# Altium PCB PCB2.PcbDoc (continued)
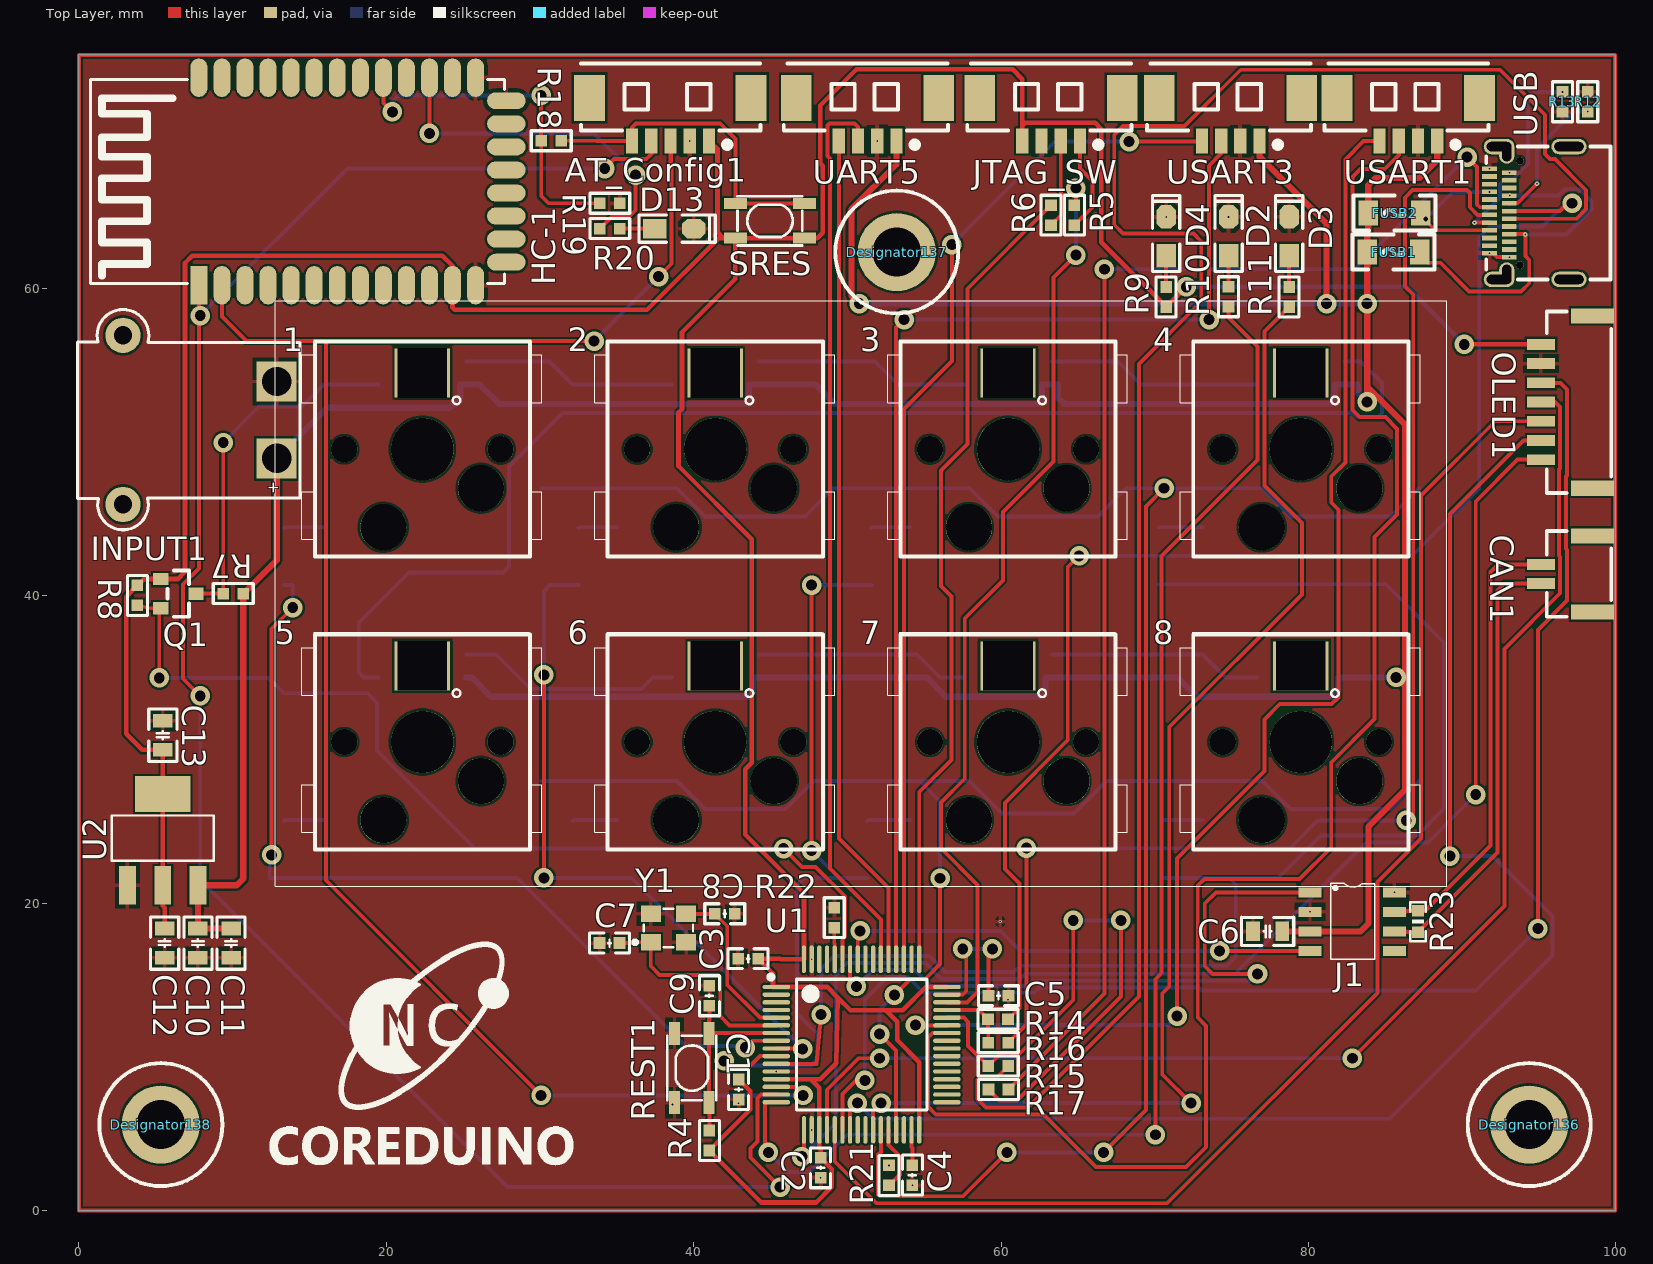
[diagram p0: Top Layer view]
## Footprints (in the part's own frame and the unit in brackets; to place one, negate y for a bottom-side part, rotate by r counter-clockwise, add the part's x,y. Pads: shape width x height; smd on the part's side, far side on the other; paste and mask are expansions set on the pad) (continued)
  rect 2.5x1.1 smd mask+0.051: 1(2.97,-2.3) 2(2.97,0) 3(2.97,2.3)
  rect 2.34x3.6 smd mask+0.051: 4(-2.97,0)
  silkscreen extent -1.57,-3.33 1.37,3.33, body extent -3.65,-3.35 3.64,3.35, height 1.81
STM32F405RGT6 [mm] "LQFP-64_L10.0-W10.0-P0.50-LS12.0-BL"
  oval 1.796x0.28 smd: 1(-5.677,3.496) 2(-5.677,2.996) 3(-5.677,2.496) 4(-5.677,1.996) 5(-5.677,1.496) 6(-5.677,0.996) 7(-5.677,0.496) 8(-5.677,-0.004) 9(-5.677,-0.504) 10(-5.677,-1.004) 11(-5.677,-1.504) 12(-5.677,-2.004) 13(-5.677,-2.504) 14(-5.677,-3.004) 15(-5.677,-3.504) 16(-5.677,-4.004) 33(5.423,-4.004) 34(5.423,-3.504) 35(5.423,-3.004) 36(5.423,-2.504) 37(5.423,-2.004) 38(5.423,-1.504) 39(5.423,-1.004) 40(5.423,-0.504) 41(5.423,-0.004) 42(5.423,0.496) 43(5.423,0.996) 44(5.423,1.496) 45(5.423,1.996) 46(5.423,2.496) 47(5.423,2.996) 48(5.423,3.496)
  oval 0.28x1.796 smd: 17(-3.877,-5.804) 18(-3.377,-5.804) 19(-2.877,-5.804) 20(-2.377,-5.804) 21(-1.877,-5.804) 22(-1.377,-5.804) 23(-0.877,-5.804) 24(-0.377,-5.804) 25(0.123,-5.804) 26(0.623,-5.804) 27(1.123,-5.804) 28(1.623,-5.804) 29(2.123,-5.804) 30(2.623,-5.804) 31(3.123,-5.804) 32(3.623,-5.804) 49(3.623,5.296) 50(3.123,5.296) 51(2.623,5.296) 52(2.123,5.296) 53(1.623,5.296) 54(1.123,5.296) 55(0.623,5.296) 56(0.123,5.296) 57(-0.377,5.296) 58(-0.877,5.296) 59(-1.377,5.296) 60(-1.877,5.296) 61(-2.377,5.296) 62(-2.877,5.296) 63(-3.377,5.296) 64(-3.877,5.296)
  silkscreen extent -6.18,-4.5 4.12,4.29, body extent -6.01,-6.14 5.76,5.63, height 1.55
USB-C-SMD_TYPE-C-24P-QT [mm]
  oval 1x2 hole 0.6 slot 1.6 at 90 deg: 1(-4.32,1.963) 2(4.32,1.963)
  oval 1.5x1 hole 0.6 slot 1.2 at 0 deg: 1(-3.97,1.463) 2(3.97,1.463)
  oval 1x2.3 hole 0.6 slot 1.9 at 90 deg: 3(4.32,-2.587) 4(-4.32,-2.587)
  rect 0.3x0.95 smd: A1(-2.625,2.588) A2(-2.125,2.588) A3(-1.625,2.588) A4(-1.125,2.588) A5(-0.625,2.588) A6(-0.125,2.588) A7(0.375,2.588) A8(0.875,2.588) A9(1.375,2.588) A10(1.875,2.588) A11(2.375,2.588) A12(2.875,2.588) B1(2.625,1.288) B2(2.125,1.288) B3(1.625,1.288) B4(1.125,1.288) B5(0.625,1.288) B6(0.125,1.288) B7(-0.375,1.288) B8(-0.875,1.288) B9(-1.375,1.288) B10(-1.875,1.288) B11(-2.375,1.288) B12(-2.875,1.288)
  round 0.5 hole 0.5 unplated: ""(-3.4,0.613) ""(3.4,0.613)
  silkscreen extent -4.32,-5.29 4.32,2.79
XT30PW-M [mm]
  round 2.3 hole 1.2: 0(-5.5,-5) 0(5.5,-5)
  rect 2.6x2.6 hole 1.9: 1(-2.5,5) 2(2.5,5)
  silkscreen extent -7.18,-7.95 7.14,6.52, body extent -6.67,-7.95 6.63,6, height 5

## Part data
1 2 3 4 5 6 7 8: library part MX_SW-Hot
AT_Config1: library part HDR1x5_卧
C1 C2 C3 C4 C5 C6 C7 C8 C9 C10 C11 C12 C13: "Capacitor", LatestRevisionDate=17-Jul-2002, LatestRevisionNote="Re-released for DXP Platform.", PackageDescription="Radial Cap, Thru-Hole; 2 Leads; 0.3 in Pin Spacing", PackageReference=RAD-0.3, Published=8-Jun-2000, Publisher="Altium Limited"
D2 D3 D4 D13: library part "LED 0805R 红", "Typical INFRARED GaAs LED", LatestRevisionDate=08-Jul-2005, LatestRevisionNote="Mech Layer 1 removed.", PackageDescription="LED; 2 Leads", PackageReference=LED-0, Published=8-Jun-2000, Publisher="Altium Limited"
D5 D6 D7 D8 D9 D10 D11 D12: library part Diode, "Default Diode", Code_JEDEC=DO-214-AB, LatestRevisionDate=17-Jul-2002, LatestRevisionNote="Re-released for DXP Platform.", PackageDescription="DO-214-AB/SMC; 2 C-Bend Leads; Body 7.9 x 5.9 mm, inc. leads (LxW)", PackageReference=SMC, PackageVersion=Sep-1996, Published=8-Jun-2000, Publisher="Altium Limited"
FUSB1 FUSB2: library part FU, LatestRevisionDate=17-Jul-2002, LatestRevisionNote="Re-released for DXP Platform.", PackageDescription="Axial Device, Thru-Hole; 2 Leads; 0.3 in Pin Spacing", PackageReference=AXIAL-0.3, Published=8-Jun-2000, Publisher="Altium Limited"
HC-1: library part HC-04
J1: BOM_JLCPCB Part Class="Basic Part", BOM_Manufacturer=NXP, BOM_Manufacturer Part=TJA1050T/CM,118, BOM_Supplier=LCSC, BOM_Supplier Part=C6952, spicePre=U, spiceSymbolName=TJA1050T/CM,118
JTAG_SW UART5 USART1 USART3: library part HDR1x4_卧
Q1: library part 2N7002,215, Continuous Drain Current (Id)=300mA, Drain Source On Resistance (RDS(on)@Vgs,Id)=5Ω@10V,500mA, Drain Source Voltage (Vdss)=60V, Gate Threshold Voltage (Vgs(th)@Id)=2.5V@250A, JLCPCB Part Class="Extended Part", LCSC Part Name="N沟道 60V 300mA", Manufacturer=Nexperia(安世), Power Dissipation (Pd)=830mW, Add into BOM=yes, Convert to PCB=yes, Datasheet=https://atta.szlcsc.com/upload/public/pdf/source/20170103/1483439882638.pdf, Device=2N7002,215, Manufacturer Part=2N7002,215, Supplier=LCSC, Supplier Footprint=SOT-23(SOT-23-3), Supplier Part=C65189, Symbol=2N7002,215, Type=N沟道
R4 R5 R6 R7 R8 R9 R10 R11 R12 R13 R14 R15 R16 R17 R21 R22 R23: "Resistor", LatestRevisionDate=17-Jul-2002, LatestRevisionNote="Re-released for DXP Platform.", PackageDescription="Axial Device, Thru-Hole; 2 Leads; 0.4 in Pin Spacing", PackageReference=AXIAL-0.4, Published=8-Jun-2000, Publisher="Altium Limited"
R18 R19 R20: library part "R 0603_L", "Resistor", LatestRevisionDate=17-Jul-2002, LatestRevisionNote="Re-released for DXP Platform.", PackageDescription="Axial Device, Thru-Hole; 2 Leads; 0.4 in Pin Spacing", PackageReference=AXIAL-0.4, Published=8-Jun-2000, Publisher="Altium Limited"
REST1 SRES: "Switch", LatestRevisionDate=17-Jul-2002, LatestRevisionNote="Re-released for DXP Platform.", PackageDescription="Switch; 2 Leads", PackageReference=SPST-2, Published=24-Mar-1999, Publisher="Altium Limited"
U1: BOM_JLCPCB Part Class="Extended Part", BOM_Manufacturer=ST, BOM_Manufacturer Part=STM32F405RGT6, BOM_Supplier=LCSC, BOM_Supplier Part=C15742, image=http://image.lceda.cn/szlcsc/C15742.jpg, spicePre=U, spiceSymbolName=STM32F405RGT6, subpart_no=1, tags=STM32
U2: Dropout Voltage=5V@(10mA), JLCPCB Part Class="Extended Part", LCSC Part Name="Vin=40V Vout=1.3V~37V 1A", Manufacturer=UTC(友顺), Manufacturer Part=LM317G-AA3-R, Maximum Input Voltage=40V, Output Current=1A, Output Voltage=1.3V~37V, Add into BOM=yes, Convert to PCB=yes, Datasheet=https://atta.szlcsc.com/upload/public/pdf/source/20160416/1460799387250.pdf, Device=LM317G-AA3-R, Number of Outputs=1, Output Polarity=正, Output Type=可调, Supplier=LCSC, Supplier Footprint=SOT-223, Supplier Part=C19651, Symbol=LM317G-AA3-R
USB: BOM_JLCPCB Part Class="Extended Part", BOM_Manufacturer="SHOU HAN(首韩)", BOM_Manufacturer Part="TYPE-C 24P QT", BOM_Supplier=LCSC, BOM_Supplier Part=C2681555, Contributor=LCSC, spicePre=U, spiceSymbolName="TYPE-C 24P QT"
Y1: library part "3325 12Mhz", "3325 12MHZ 无源晶振"

## Via types
v1: diameter 1.27, hole 0.711, Top Layer to Bottom Layer, 72 vias
v2: diameter 0.205, hole 0.115, Top Layer to Bottom Layer, 20 vias
v3: diameter 0.305, hole 0.115, Top Layer to Bottom Layer, 7 vias
v4: diameter 0.605, hole 0.315, Top Layer to Bottom Layer, 1 vias

## Nets (pads, with @x,y where several pads share a name; then routed paths per layer and width w, separated by ;. In a path a pad name is that pad's centre, name@x,y a point inside that pad or via, vN(x,y) a via of type N, cw(c..) or ccw(c..) an arc to the next point about the centre after c; other vN are vias at no path point)
BUTTON_AD(PA3): OLED1.1 U1.17 | length 86.3
  Top Layer w0.254: v1(47.041,3.505) 47.177,3.641 U1.17 ; v1(90.881,27.055) 90.881,46.126 93.603,48.848 OLED1.1
  Bottom Layer w0.254: v1(47.041,3.505) 49.247,5.712 49.247,15.389 49.952,16.094 55.071,16.094 56.093,15.073 61.248,15.073 61.581,15.405 75.224,15.405 83.768,23.949 87.775,23.949 v1(90.881,27.055)
CAN2_RX(PB5): J1.4 U1.57 | length 31.7
  Top Layer w0.254: U1.57 50.677,18.038 v1(50.825,18.186) ; v1(74.219,16.891) J1.4
  Bottom Layer w0.254: v1(50.825,18.186) 59.955,18.186 61.251,16.891 v1(74.219,16.891)
CAN2_TX(PB6): J1.1 U1.58 | length 44.1
  Top Layer w0.254: U1.58 50.177,14.999 v1(50.591,14.586) ; v1(76.683,15.392) 73.762,15.392 73.254,15.9 73.254,19.964 73.99,20.701 J1.1
  Bottom Layer w0.254: v1(50.591,14.586) 51.645,15.64 54.39,15.64 55.411,14.619 61.702,14.619 62.035,14.951 76.241,14.951 v1(76.683,15.392)
CAN_H: CAN1.2 J1.7 R23.2 | length 29.3
  Top Layer w0.254: J1.7 86.309,19.431 86.373,19.494 R23.2 87.589,19.494 91.843,23.749 91.843,41.551 92.329,42.037 CAN1.2
CAN_L: CAN1.1 J1.6 R23.1 | length 28.9
  Top Layer w0.254: J1.6 86.335,18.161 86.385,18.11 R23.1 92.297,23.285 92.297,40.349 92.735,40.787 CAN1.1
DIN_3V3_1(PB7): Q1.2 R8.1 U1.59 | length 62.6
  Top Layer w0.254: R8.1 4.658,39.182 Q1.2@5.232,39.182 ; v1(5.232,34.646) Q1.2@5.232,39.182 ; Q1.2 Q1.2@5.232,39.182 ; v1(45.847,23.546) 47.041,22.352 47.93,22.352 49.86,20.422 49.86,17.811 49.677,17.628 U1.59
  Bottom Layer w0.254: v1(5.232,34.646) 12.344,34.646 13.335,33.655 18.771,33.655 19.406,33.02 19.406,29.921 25.781,23.546 v1(45.847,23.546)
DIN_5V0_1: 1.6 Q1.3 R7.1 | length 23.3
  Top Layer w0.254: Q1.3 8.509,40.132 R7.1 v1(9.398,49.962)
  Bottom Layer w0.254: v1(9.398,49.962) 11.735,52.299 14.503,52.299 15.938,53.733 1.6
DIN_5V0_1_1: 4.4 5.6 | length 85.9
  Bottom Layer w0.254: 5.6 18.53,34.683 18.212,35.001 18.212,38.252 21.463,41.504 27.584,41.504 27.991,41.91 27.991,48.412 31.471,51.892 82.858,51.892 83.109,51.641 84.557,51.641 84.782,51.867 84.782,53.839 83.388,55.233 4.4
GND: 1.5 2.5 3.5 4.5 5.5 6.5 7.5 8.5 AT_Config1.2 C1.2 C2.2 C3.2 C4.2 C5.2 C6.2 C7.2 C8.1 C9.2 C10.1 C11.1 C12.1 C13.1 D2.2 D3.2 D4.2 D13.2 HC-1.13 HC-1.21 HC-1.22 INPUT1.1 J1.2 J1.8 JTAG_SW.3 OLED1.6 R12.1 R13.2 R19.2 R21.2 R22.2 REST1.2 U1.12 U1.18 U1.63 U2.1 UART5.2 USART1.2 USART3.2 USB.A1 USB.A12 USB.B1 USB.B12 Y1.2 Y1.4 | length 1.4
  Top Layer w0.254: v2(91.773,62.272) 92.024,62.272 92.274,62.022 v2(93.073,62.022)
  other v2: 54.229,1.651 48.26,2.129 52.705,2.936 47.677,5.245 38.626,6.894 42.926,6.985 45.377,9.044 60.452,13.716 47.677,16.345 59.944,18.796 80.098,19.431 85.598,20.701 70.739,64.643 74.803,64.643 93.073,67.522 91.773,67.772 39.745,69.579 51.947,69.579
HC_KEY: AT_Config1.5 R18.2 SRES.1 | length 21.5
  Top Layer w0.254: R18.2 33.68,69.596 33.697,69.579 AT_Config1.5 35.995,70.463 36.246,70.714 41.732,70.714 42.723,69.723 SRES.1@42.723,65.514 ; SRES.1@42.708,65.514 SRES.1@42.723,65.514 ; SRES.1@47.208,65.514 SRES.1@42.723,65.514
HC_RX: AT_Config1.3 HC-1.2 U1.14 | length 118
  Top Layer w0.254: HC-1.2 9.312,58.166 10.912,56.566 16.078,56.566 ; v1(30.074,7.493) 16.078,21.488 16.078,56.566 ; v1(33.528,56.566) 16.078,56.566 ; v1(37.719,60.757) 38.557,61.595 38.557,67.502 ; U1.14 46.565,8.045 v1(47.117,7.493) ; 38.557,67.502 AT_Config1.3 38.495,67.564 38.557,67.502
  Bottom Layer w0.254: v1(30.074,7.493) v1(47.117,7.493) ; v1(33.528,56.566) v1(37.719,60.757)
HC_TX: AT_Config1.4 HC-1.1 U1.15 | length 128.4
  Top Layer w0.254: HC-1.1 v1@7.812,58.304 ; v1(7.899,33.477) 6.782,34.595 6.782,40.742 7.812,41.772 v1@7.812,58.304 ; v1(7.899,58.217) v1@7.812,58.304 ; v1(34.214,67.793) 34.823,68.402 36.915,68.402 37.245,68.732 AT_Config1.4 ; U1.15 44.374,7.545 44.145,7.316 44.145,4.496 43.688,4.039 43.688,3.454 v1(45.618,1.524)
  Bottom Layer w0.254: v1(7.899,33.477) 7.899,21.514 27.889,1.524 v1(45.618,1.524) ; v1(7.899,58.217) 17.475,67.793 v1(34.214,67.793)
KEY_POS1: D5.2 D9.2 U1.8 | length 58
  Top Layer w0.254: v1(12.548,23.139) 12.548,37.846 v1(13.919,39.218) ; v1(43.358,10.592) 43.811,11.045 U1.8
  Bottom Layer w0.254: v1(12.548,23.139) 12.421,23.012 12.421,21.641 D9.2 28.524,21.641 39.463,10.702 43.248,10.702 v1(43.358,10.592) ; D5.2 13.919,40.691 v1(13.919,39.218)
KEY_POS2: D6.2 D10.2 U1.9 | length 44.2
  Top Layer w0.254: v1(30.251,21.641) v1(30.251,34.849) ; U1.9 47.062,10.545 v1(47.092,10.516)
  Bottom Layer w0.254: v1(30.251,21.641) D10.2 35.966,21.641 v1(47.092,10.516) ; v1(30.251,34.849) 30.251,40.284 30.658,40.691 D6.2
KEY_POS3: D7.2 D11.2 U1.10 | length 50.5
  Top Layer w0.254: v1(41.986,9.728) 42.291,9.423 43.701,9.423 44.323,10.045 U1.10 ; v1(47.676,23.419) v1(47.676,40.691)
  Bottom Layer w0.254: v1(41.986,9.728) 42.291,9.423 47.625,9.423 48.057,9.855 48.057,11.481 46.711,12.827 46.711,21.184 47.168,21.641 49.454,21.641 ; v1(47.676,23.419) 49.454,21.641 ; v1(47.676,40.691) D7.2 ; D11.2 49.454,21.641
KEY_POS4: D8.2 D12.2 U1.11 | length 93.5
  Top Layer w0.254: U1.11 48.001,9.545 v1(48.285,12.751)
  Bottom Layer w0.254: v1(48.285,12.751) 48.285,15.71 49.123,16.548 55.339,16.548 56.36,15.527 60.849,15.527 61.248,15.926 74.708,15.926 75.265,16.483 75.265,21.229 74.854,21.641 ; D8.2 85.039,40.742 88.824,36.957 88.824,26.141 87.086,24.403 80.797,24.403 78.035,21.641 74.854,21.641 ; D12.2 74.854,21.641
KEY_SEG1: 1.1 2.1 3.1 4.1 U1.27 | length 126.7
  Top Layer w0.254: U1.27 52.177,3.815 51.994,3.632 51.994,1.041 52.107,0.928 57.519,0.928 v1(60.376,3.785) ; v1(66.675,3.785) 69.418,6.528 69.418,45.796 v1(70.612,46.99)
  Bottom Layer w0.254: 1.1 38.906,46.99 40.733,45.163 47.25,45.163 49.077,46.99 2.1 57.956,46.99 59.783,45.163 66.3,45.163 68.127,46.99 3.1 v1(70.612,46.99) 77.006,46.99 78.833,45.163 85.35,45.163 87.177,46.99 4.1 ; v1(60.376,3.785) v1(66.675,3.785)
KEY_SEG2: 5.1 6.1 7.1 8.1 U1.29 | length 87.8
  Top Layer w0.254: v1(52.095,11.481) 53.177,10.399 U1.29 ; v1(53.061,14.021) 54.102,15.062 55.067,15.062 56.032,16.027 v1(56.032,21.615)
  Bottom Layer w0.254: 5.1 38.906,27.94 40.733,26.113 45.969,26.113 47.796,27.94 6.1 54.712,27.94 ; v1(52.095,11.481) 52.095,13.056 v1(53.061,14.021) ; v1(56.032,21.615) 56.032,26.619 54.712,27.94 ; 8.1 87.177,27.94 85.35,26.113 78.833,26.113 77.006,27.94 7.1 66.846,27.94 64.738,25.833 60.063,25.833 57.956,27.94 54.712,27.94
LED1(PA2): R10.2 U1.16 | length 88.2
  Top Layer w0.254: v1(44.856,3.785) 44.653,3.988 44.653,7.045 U1.16 ; v1(70.034,4.928) 70.034,15.046 70.434,15.446 70.434,42.57 76.689,48.825 76.689,56.204 74.803,58.09 R10.2
  Bottom Layer w0.254: v1(44.856,3.785) 46.126,2.515 47.574,2.515 49.987,4.928 v1(70.034,4.928)
LED2(PB0): R11.2 U1.26 | length 80.1
  Top Layer w0.254: U1.26 51.677,6.465 v1(52.197,6.985) ; v1(72.365,6.985) 70.488,8.861 70.488,14.126 70.942,14.58 70.942,31.445 79.578,40.081 79.578,44.733 77.143,47.168 77.143,57.189 R11.2
  Bottom Layer w0.254: v1(52.197,6.985) v1(72.365,6.985)
Net1_2: 1.2 D5.1 | length 2.6
  Bottom Layer w0.254: D5.1 13.386,44.45 1.2
Net1_4: 1.4 2.6 | length 14
  Bottom Layer w0.254: 1.4 30.619,55.233 32.119,53.733 2.6
Net2_2: 2.2 D6.1 | length 2.5
  Bottom Layer w0.254: D6.1 32.563,44.45 2.2
Net2_4: 2.4 3.6 | length 14
  Bottom Layer w0.254: 2.4 51.803,55.233 53.303,53.733 3.6
Net3_2: 3.2 D7.1 | length 2.5
  Bottom Layer w0.254: D7.1 51.613,44.45 3.2
Net3_4: 3.4 4.6 | length 14
  Bottom Layer w0.254: 3.4 67.615,55.233 69.115,53.733 4.6
Net4_2: 4.2 D8.1 | length 2.9
  Bottom Layer w0.254: D8.1 4.2
Net5_2: 5.2 D9.1 | length 2.6
  Bottom Layer w0.254: D9.1 13.386,25.4 5.2
Net5_4: 5.4 6.6 | length 14.6
  Bottom Layer w0.254: 5.4 27.154,36.183 29.4,33.937 36.604,33.937 37.338,34.671 38.54,34.671 6.6
Net6_2: 6.2 D10.1 | length 2.9
  Bottom Layer w0.254: D10.1 32.182,25.4 6.2
Net6_4: 6.4 7.6 | length 14
  Bottom Layer w0.254: 6.4 54.532,36.183 56.032,34.683 7.6
Net7_2: 7.2 D11.1 | length 2.8
  Bottom Layer w0.254: D11.1 51.359,25.4 7.2
Net7_4: 7.4 8.6 | length 14
  Bottom Layer w0.254: 7.4 73.113,36.183 74.613,34.683 8.6
Net8_2: 8.2 D12.1 | length 2.7
  Bottom Layer w0.254: D12.1 70.485,25.4 8.2
NetC4_1: C4.1 U1.31 | length 2.3
  Top Layer w0.254: U1.31 54.177,4.116 54.229,4.064 C4.1
NetC5_1: C5.1 U1.47 | length 9.3
  Top Layer w0.254: U1.47 57.504,14.045 57.734,14.275 57.734,16.789 v1(57.506,17.018) ; C5.1 59.182,16.764 v1(59.436,17.018)
  Bottom Layer w0.254: v1(57.506,17.018) v1(59.436,17.018)
NetD2_1: D2.1 R10.1 | length 2
  Top Layer w0.254: R10.1 D2.1
NetD3_1: D3.1 R11.1 | length 2
  Top Layer w0.254: R11.1 78.74,61.087 D3.1
NetD4_1: D4.1 R9.1 | length 2
  Top Layer w0.254: R9.1 70.739,61.087 D4.1
NetD13_1: D13.1 R20.2 | length 2.3
  Top Layer w0.254: R20.2 36.322,63.881 D13.1
NetFUSB1_2: FUSB1.2 USB.B4 USB.B9 | length 24.2
  Top Layer w0.254: FUSB1.2 87.249,62.166 87.757,61.658 88.582,61.658 90.441,59.8 93.836,59.8 94.361,60.325 94.361,61.849 94.107,62.103 v3(94.107,63.5) 94.093,63.5 94.071,63.522 USB.B9
  Bottom Layer w0.254: v3(93.091,66.04) 96.266,66.04 96.647,66.421 96.754,66.421 96.777,66.444 97.64,66.444 98.425,65.659 98.425,65.151 96.774,63.5 v3(94.107,63.5)
NetFUSB2_1: FUSB2.1 USB.A4 USB.A9 | length 9.9
  Top Layer w0.254: FUSB2.1 87.312,64.706 88.247,63.772 USB.A4
  Bottom Layer w0.254: v4(87.63,64.516) 89.386,66.272 v3(91.773,66.272)
NetHC-1_24: HC-1.24 R20.1 | length 23.3
  Top Layer w0.254: v1(22.812,70.079) HC-1.24 ; R20.1 34.707,64.694 35.839,64.694 36.22,65.075 v1(36.22,67.361)
  Bottom Layer w0.254: v1(22.812,70.079) 33.503,70.079 v1(36.22,67.361)
NetHC-1_26: HC-1.26 R18.1 R19.1 | length 23.5
  Top Layer w0.254: HC-1.26 19.812,72.06 v1(20.396,71.476) ; v1(30.074,72.542) 30.074,69.606 R18.1 30.084,66.004 30.556,65.532 R19.1
  Bottom Layer w0.254: v1(20.396,71.476) 20.396,72.136 20.803,72.542 v1(30.074,72.542)
NetJTAG_SW?_1: JTAG_SW.1 R5.1 | length 6.3
  Top Layer w0.254: R5.1 65.938,65.273 65.938,66.989 65.135,67.793 JTAG_SW.1
NetJTAG_SW?_2: JTAG_SW.2 R6.1 | length 5.8
  Top Layer w0.254: R6.1 63.957,64.816 63.957,66.145 63.885,66.218 JTAG_SW.2
NetR12_2: R12.2 USB.B5 | length 8.9
  Top Layer w0.254: USB.B5 93.096,65.545 93.613,65.545 v3(94.869,66.801)
  Bottom Layer w0.254: v3(94.869,66.801) 94.869,69.088 97.282,71.501 v3(98.171,71.501)
NetR13_1: R13.1 USB.A5 | length 13.2
  Top Layer w0.254: v3(90.805,64.262) 90.81,64.267 91.768,64.267 USB.A5
  Bottom Layer w0.254: v3(90.805,64.262) 92.456,65.913 92.456,66.802 92.796,67.142 93.339,67.142 94.275,68.078 94.275,72.349 94.697,72.771 v3(96.52,72.771)
NetR21_1: R21.1 U1.28 | length 4.2
  Top Layer w0.254: U1.28 52.677,4.27 53.416,3.531 53.416,2.347 R21.1
NetR22_1: R22.1 U1.60 | length 2.1
  Top Layer w0.254: R22.1 49.149,17.376 49.177,17.348 U1.60
NRST: C9.1 R4.2 REST1.1 U1.7 | length 12.6
  Top Layer w0.254: REST1.1@41.003,7.021 REST1.1@41.003,7.069 ; R4.2 41.021,7.069 REST1.1@41.003,7.069 ; C9.1 41.021,12.413 41.003,12.395 REST1.1@41.003,11.554 ; U1.7 44.329,11.545 44.32,11.554 REST1.1@41.003,11.554 ; REST1.1@41.003,7.069 41.003,11.521 REST1.1@41.003,11.554
OLED_CLK(PA5): OLED1.3 U1.21 | length 87.5
  Top Layer w0.254: U1.21 49.177,3.189 51.892,0.474 70.807,0.474 84.48,14.148 84.48,21.361 87.322,24.203 87.322,46.519 92.151,51.348 OLED1.3
OLED_DC(PA4): OLED1.4 U1.20 | length 87
  Top Layer w0.254: U1.20 48.677,7.855 50.728,9.906 v1(52.102,9.906) ; v1(82.855,9.906) 92.751,19.802 92.751,36.541 96.368,40.157 96.368,42.53 96.292,42.606 96.292,48.203 96.368,48.279 96.368,52.273 96.043,52.598 OLED1.4
  Bottom Layer w0.254: v1(52.102,9.906) v1(82.855,9.906)
OLED_MOSI(PA7): OLED1.2 U1.23 | length 93
  Top Layer w0.254: U1.23 50.177,6.514 v1(50.648,6.985) ; v1(89.205,23.063) 89.205,45.323 93.98,50.098 OLED1.2
  Bottom Layer w0.254: v1(50.648,6.985) 51.664,5.969 85.268,5.969 95.885,16.586 95.885,19.152 91.973,23.063 v1(89.205,23.063)
OLED_RST(PA6): OLED1.5 U1.22 | length 93.9
  Top Layer w0.254: U1.22 49.677,7.569 50.569,8.461 v1(51.133,8.461) ; v1(94.92,18.339) 94.92,37.775 96.825,39.68 96.825,42.974 96.746,43.053 96.746,47.749 96.825,47.828 96.825,53.416 96.393,53.848 OLED1.5
  Bottom Layer w0.254: v1(51.133,8.461) 51.133,13.716 52.603,15.186 53.944,15.186 54.965,14.165 62.156,14.165 62.489,14.497 72.866,14.497 73.06,14.303 90.884,14.303 v1(94.92,18.339)
PH0_OSC_IN: C8.2 U1.5 Y1.3 | length 10.9
  Top Layer w0.254: Y1.3 C8.2 42.183,18.493 42.183,14.683 44.321,12.545 U1.5
PH1_OSC_OUT: C7.1 U1.6 Y1.1 | length 14.9
  Top Layer w0.254: C7.1 36.144,17.399 36.199,17.454 Y1.1 37.211,15.9 37.783,15.328 41.59,15.328 41.729,15.189 41.729,12.649 42.333,12.045 U1.6
SWCLK(PA14): R6.2 U1.49 | length 53.2
  Top Layer w0.254: U1.49 54.677,27.234 56.764,29.321 56.764,39.959 56.083,40.64 56.083,48.133 57.81,49.86 57.81,59.969 R6.2
SWDIO(PA13): R5.2 U1.46 | length 60.4
  Top Layer w0.254: U1.46 57.792,13.545 58.471,14.224 58.471,21.184 56.083,23.571 56.083,26.537 57.639,28.092 57.639,38.513 60.122,40.996 60.122,45.434 63.414,48.725 63.414,60.696 v1(64.872,62.154) ; R5.2 64.872,65.507 v1(64.872,66.523)
  Bottom Layer w0.254: v1(64.872,62.154) v1(64.872,66.523)
UART5_RX: U1.54 UART5.3 | length 58.7
  Top Layer w0.254: UART5.3 50.697,70.487 50.47,70.714 48.844,70.714 48.72,70.589 48.72,68.602 48.868,68.453 48.868,22.252 52.177,18.943 U1.54
UART5_TX: U1.53 UART5.4 | length 54.6
  Top Layer w0.254: UART5.4 49.447,24.213 52.677,20.983 U1.53
USART1_RX: U1.42 USART1.3 | length 105.1
  Top Layer w0.254: U1.42 55.55,11.545 55.245,11.24 55.245,6.756 55.753,6.248 62.76,6.248 66.186,2.822 72.037,2.822 73.33,4.115 73.33,12.014 72.796,12.548 72.796,21.133 73.228,21.565 79.426,21.565 81.483,23.622 81.483,29.159 84.303,31.979 84.303,43.815 85.76,45.272 85.76,50.851 84.998,51.613 83.312,51.613 82.855,52.07 82.855,67.234 83.388,67.767 84.963,67.767 85.876,68.68 USART1.3
USART1_TX: U1.43 USART1.4 | length 84.7
  Top Layer w0.254: v1(54.432,12.065) 54.819,12.065 54.839,12.045 U1.43 ; v1(71.45,12.649) 71.45,22.914 77.14,28.604 77.14,31.953 78.13,32.944 81.509,32.944 81.94,33.376 81.94,45.593 81.483,46.05 81.483,47.745 82.398,48.659 82.398,68.377 83.591,69.571 84.626,69.571 USART1.4
  Bottom Layer w0.254: v1(54.432,12.065) 70.866,12.065 v1(71.45,12.649)
USART3_RX: U1.52 USART3.3 | length 73.6
  Top Layer w0.254: U1.52 53.177,57.444 v1(53.696,57.963) ; v1(73.533,57.963) 73.533,67.97 74.319,68.756 USART3.3
  Bottom Layer w0.254: v1(53.696,57.963) v1(73.533,57.963)
USART3_TX: U1.51 USART3.4 | length 66.9
  Top Layer w0.254: U1.51 53.677,52.153 56.794,55.27 v1(56.794,62.84) ; v1(68.326,69.545) 73.069,69.545 USART3.4
  Bottom Layer w0.254: v1(56.794,62.84) 63.5,69.545 v1(68.326,69.545)
USB_D+_1: R16.2 USB.A6 | length 86.4
  Top Layer w0.254: R16.2 61.644,12.099 v1(61.644,23.571) ; v1(86.36,25.375) 86.817,25.832 86.817,59.588 86.284,60.122 86.284,65.888 86.778,66.382 90.308,66.382 90.497,66.192 90.497,65.274 90.999,64.772 USB.A6
  Bottom Layer w0.254: v1(61.644,23.571) 78.791,23.571 80.594,25.375 v1(86.36,25.375)
USB_D+_2: R14.2 USB.B6 | length 88.3
  Top Layer w0.254: R14.2 61.19,13.184 61.19,21.284 60.249,22.225 60.249,26.518 64.338,30.607 64.338,41.859 v1(65.075,42.596) ; USB.B6 96.37,65.022 96.88,65.532 v1(97.155,65.532)
  Bottom Layer w0.254: v1(65.075,42.596) 86.741,42.596 91.11,46.965 91.11,63.297 91.821,64.008 95.228,64.008 96.558,65.338 96.961,65.338 v1(97.155,65.532)
USB_D-_1: R17.2 USB.A7 | length 86.8
  Top Layer w0.254: R17.2 66.726,14.118 v1(66.726,61.239) ; v1(90.322,68.529) 90.951,67.9 90.951,65.462 91.141,65.272 USB.A7
  Bottom Layer w0.254: v1(66.726,61.239) 83.033,61.239 v1(90.322,68.529)
USB_D-_2: R15.2 USB.B7 | length 123.8
  Top Layer w0.254: R15.2 59.654,8.585 58.572,8.585 58.471,8.484 58.471,7.264 59.023,6.712 61.754,6.712 68.961,13.919 68.961,55.067 73.025,59.131 73.025,63.043 72.517,63.551 67.945,63.551 67.361,64.135 67.361,69.977 67.945,70.561 71.933,70.561 75.59,74.219 92.456,74.219 95.388,71.286 95.388,68.732 95.712,68.408 96.038,68.408 98.067,66.38 98.067,65.154 97.435,64.522 USB.B7
USB_OTG_FS_DM: R15.1 R17.1 U1.44 | length 37.1
  Top Layer w0.254: U1.44 57.582,12.545 57.861,12.266 57.861,10.704 R15.1 59.98,10.211 61.214,10.211 64.694,13.691 v1(64.694,18.872) ; R17.1 59.89,7.166 61.036,7.166 67.793,13.922 v1(67.793,18.872)
  Bottom Layer w0.254: v1(64.694,18.872) v1(67.793,18.872)
USB_OTG_FS_DP: R14.1 R16.1 U1.45 | length 4.5
  Top Layer w0.254: U1.45 58.553,13.045 R14.1 59.152,11.674 59.167,11.659 R16.1
VCC3V3: AT_Config1.1 C1.1 C2.1 C3.1 C12.2 C13.2 HC-1.12 JTAG_SW.4 OLED1.7 Q1.1 R4.1 R8.2 R9.2 SRES.2 U1.1 U1.13 U1.19 U1.32 U1.48 U1.64 U2.2 U2.4 | length 284.4
  Top Layer w0.3: C12.2 5.588,19.685 5.461,19.812 U2.2 U2.4 C13.2 4.115,29.972 3.073,31.013 3.073,39.933 R8.2 4.222,41.082 Q1.1 6.438,41.082 6.909,41.553 6.909,61.646 7.391,62.128 23.647,62.128 24.312,61.464 HC-1.12 24.312,58.746 24.46,58.598 36.964,58.598 41.631,63.264 41.935,63.264 ; AT_Config1.1 40.995,69.19 41.427,69.19 41.554,69.063 41.554,63.645 41.935,63.264 ; C1.1 43.663,7.787 43.663,6.549 R4.1 44.405,0.523 47.97,0.523 48.991,1.544 48.991,2.698 C2.1 48.26,3.988 48.177,4.071 U1.19 48.177,7.993 47.625,8.545 ; U1.13 47.625,8.545 ; U1.32 54.677,9.652 53.238,11.091 53.238,12.294 52.502,13.03 ; U1.48 55.118,14.545 53.603,13.03 52.502,13.03 ; JTAG_SW.4 61.385,70.561 ; v1(72.049,60.096) R9.2 66.523,63.002 66.523,70.358 66.116,70.764 61.588,70.764 61.385,70.561 ; v1(90.134,56.348) OLED1.7 ; 41.935,63.264 SRES.2@42.708,63.264 ; SRES.2@42.708,63.264 42.708,60.604 39.243,57.139 39.243,52.146 39.014,51.918 39.014,48.438 43.79,43.663 43.79,29.134 43.358,28.702 43.358,24.465 47.177,20.646 U1.64 45.682,16.345 45.644,16.383 C3.1 45.161,15.418 45.161,14.545 U1.1 48.692,14.545 49.386,13.851 ; SRES.2@42.708,63.264 47.208,63.264 48.031,63.264 48.391,63.624 48.391,67.975 48.243,68.124 48.243,71.89 50.597,74.244 60.75,74.244 61.385,73.609 61.385,70.561 ; 47.625,8.545 48.246,8.545 49.27,9.569 49.386,13.851 ; 49.386,13.851 50.207,13.03 52.502,13.03
  Bottom Layer w0.3: v1(72.049,60.096) 86.385,60.096 v1(90.134,56.348)
VCC5V: 1.3 2.3 3.3 4.3 5.3 6.3 7.3 8.3 C6.1 C10.2 C11.2 FUSB1.1 FUSB2.2 INPUT1.2 J1.3 R7.2 U2.3 UART5.1 USART1.1 USART3.1 | length 302.9
  Top Layer w0.4: U2.3 U2.3@7.761,21.158 ; C11.2 C10.2 7.761,19.75 U2.3@7.761,21.158 ; INPUT1.2 12.874,42.308 R7.2 10.698,21.59 10.266,21.158 U2.3@7.761,21.158 ; v1(50.775,59.004) 50.267,59.512 50.267,65.142 53.197,68.072 UART5.1 ; USART3.1 76.819,68.545 81.178,64.186 v1(81.178,59.004) ; C6.1 79.172,18.161 J1.3 83.388,18.161 83.896,18.669 83.896,24.972 86.287,27.363 86.287,34.096 ; v1(83.82,52.603) 83.82,53.594 ; v1(85.7,34.683) 86.287,34.096 ; USART1.1 88.376,68.326 87.22,67.17 84.353,67.17 83.883,66.7 FUSB2.2 83.883,63.64 83.82,63.576 FUSB1.1 v1(83.82,59.004) 83.82,53.594 ; 83.82,53.594 86.287,51.127 86.287,34.096
  Bottom Layer w0.4: INPUT1.2 16.161,52.222 24.13,52.222 24.816,52.908 24.816,53.733 1.3 26.086,53.733 27.342,52.476 43.409,52.476 43.612,52.68 43.612,53.733 2.3 47.93,53.733 49.186,52.476 62.459,52.476 62.662,52.68 62.662,53.733 3.3 63.703,53.733 63.703,52.883 64.11,52.476 81.509,52.476 81.712,52.68 81.712,53.733 4.3 83.185,53.733 83.185,53.238 v1(83.82,52.603) ; 5.3 25.552,34.683 26.809,33.426 43.561,33.426 43.84,33.706 43.84,34.683 6.3 55.157,34.683 56.413,33.426 62.662,33.426 62.89,33.655 62.89,34.683 7.3 71.464,34.683 72.72,33.426 81.585,33.426 81.94,33.782 81.94,34.683 8.3 v1(85.7,34.683) ; v1(50.775,59.004) v1(81.178,59.004) v1(83.82,59.004)
pads on no net: 1. 2. 3. 4. 5. 6. 7. 8. 8.4 AT_Config1.0 CAN1.0 Designator136.1 Designator137.1 Designator138.1 HC-1.3 HC-1.4 HC-1.5 HC-1.6 HC-1.7 HC-1.8 HC-1.9 HC-1.10 HC-1.11 HC-1.14 HC-1.15 HC-1.16 HC-1.17 HC-1.18 HC-1.19 HC-1.20 HC-1.23 HC-1.25 HC-1.27 HC-1.28 HC-1.29 HC-1.30 HC-1.31 HC-1.32 HC-1.33 HC-1.34 INPUT1.0 J1.5 JTAG_SW.0 OLED1.0 U1.2 U1.3 U1.4 U1.24 U1.25 U1.30 U1.33 U1.34 U1.35 U1.36 U1.37 U1.38 U1.39 U1.40 U1.41 U1.50 U1.55 U1.56 U1.61 U1.62 UART5.0 USART1.0 USART3.0 USB. USB.1 USB.2 USB.3 USB.4 USB.A2 USB.A3 USB.A8 USB.A10 USB.A11 USB.B2 USB.B3 USB.B8 USB.B10 USB.B11
copper on no net: | length 350.3
  Top Layer w0.254: 0,0 99.949,0 99.949,75.184 0,75.184 0,0

## Polygon pours and split planes (outlines as drawn)
GND on Bottom Layer "GND_L02_P000" (solid, pour order 0): -0.127,75.311 0,75.184 99.949,75.184 99.949,0 0,0
GND on Top Layer "GND_L01_P001" (solid, pour order 1): 0,75.184 99.949,75.184 99.949,0 0,0

## Silkscreen, mask and mechanical layers (free items; w line width, h text height)
Top Overlay:
  drawing of 2169 lines, arcs and shapes, not listed
Bottom Overlay:
  text "https://www.coreduino.eu.org/" at 89.789,1.397 h1.52
Mechanical 1:
  the board outline again, w1.2

## Text inside footprints (layer, text, board x,y; h text height)
INPUT1: Top Overlay "+" at 12.112,47.458 h1.27 r270